# Altium PCB ble_lock_2020-10-10.PcbDoc (part 4 of 5)
Units mm, origin at the board's own origin, x right, y up, seen from the top; angles counter-clockwise.
Board outline 58 x 27 mm, 2 copper layers (Top Layer, Bottom Layer); 590 components, 46 nets, 1844 pads, 2190 vias.
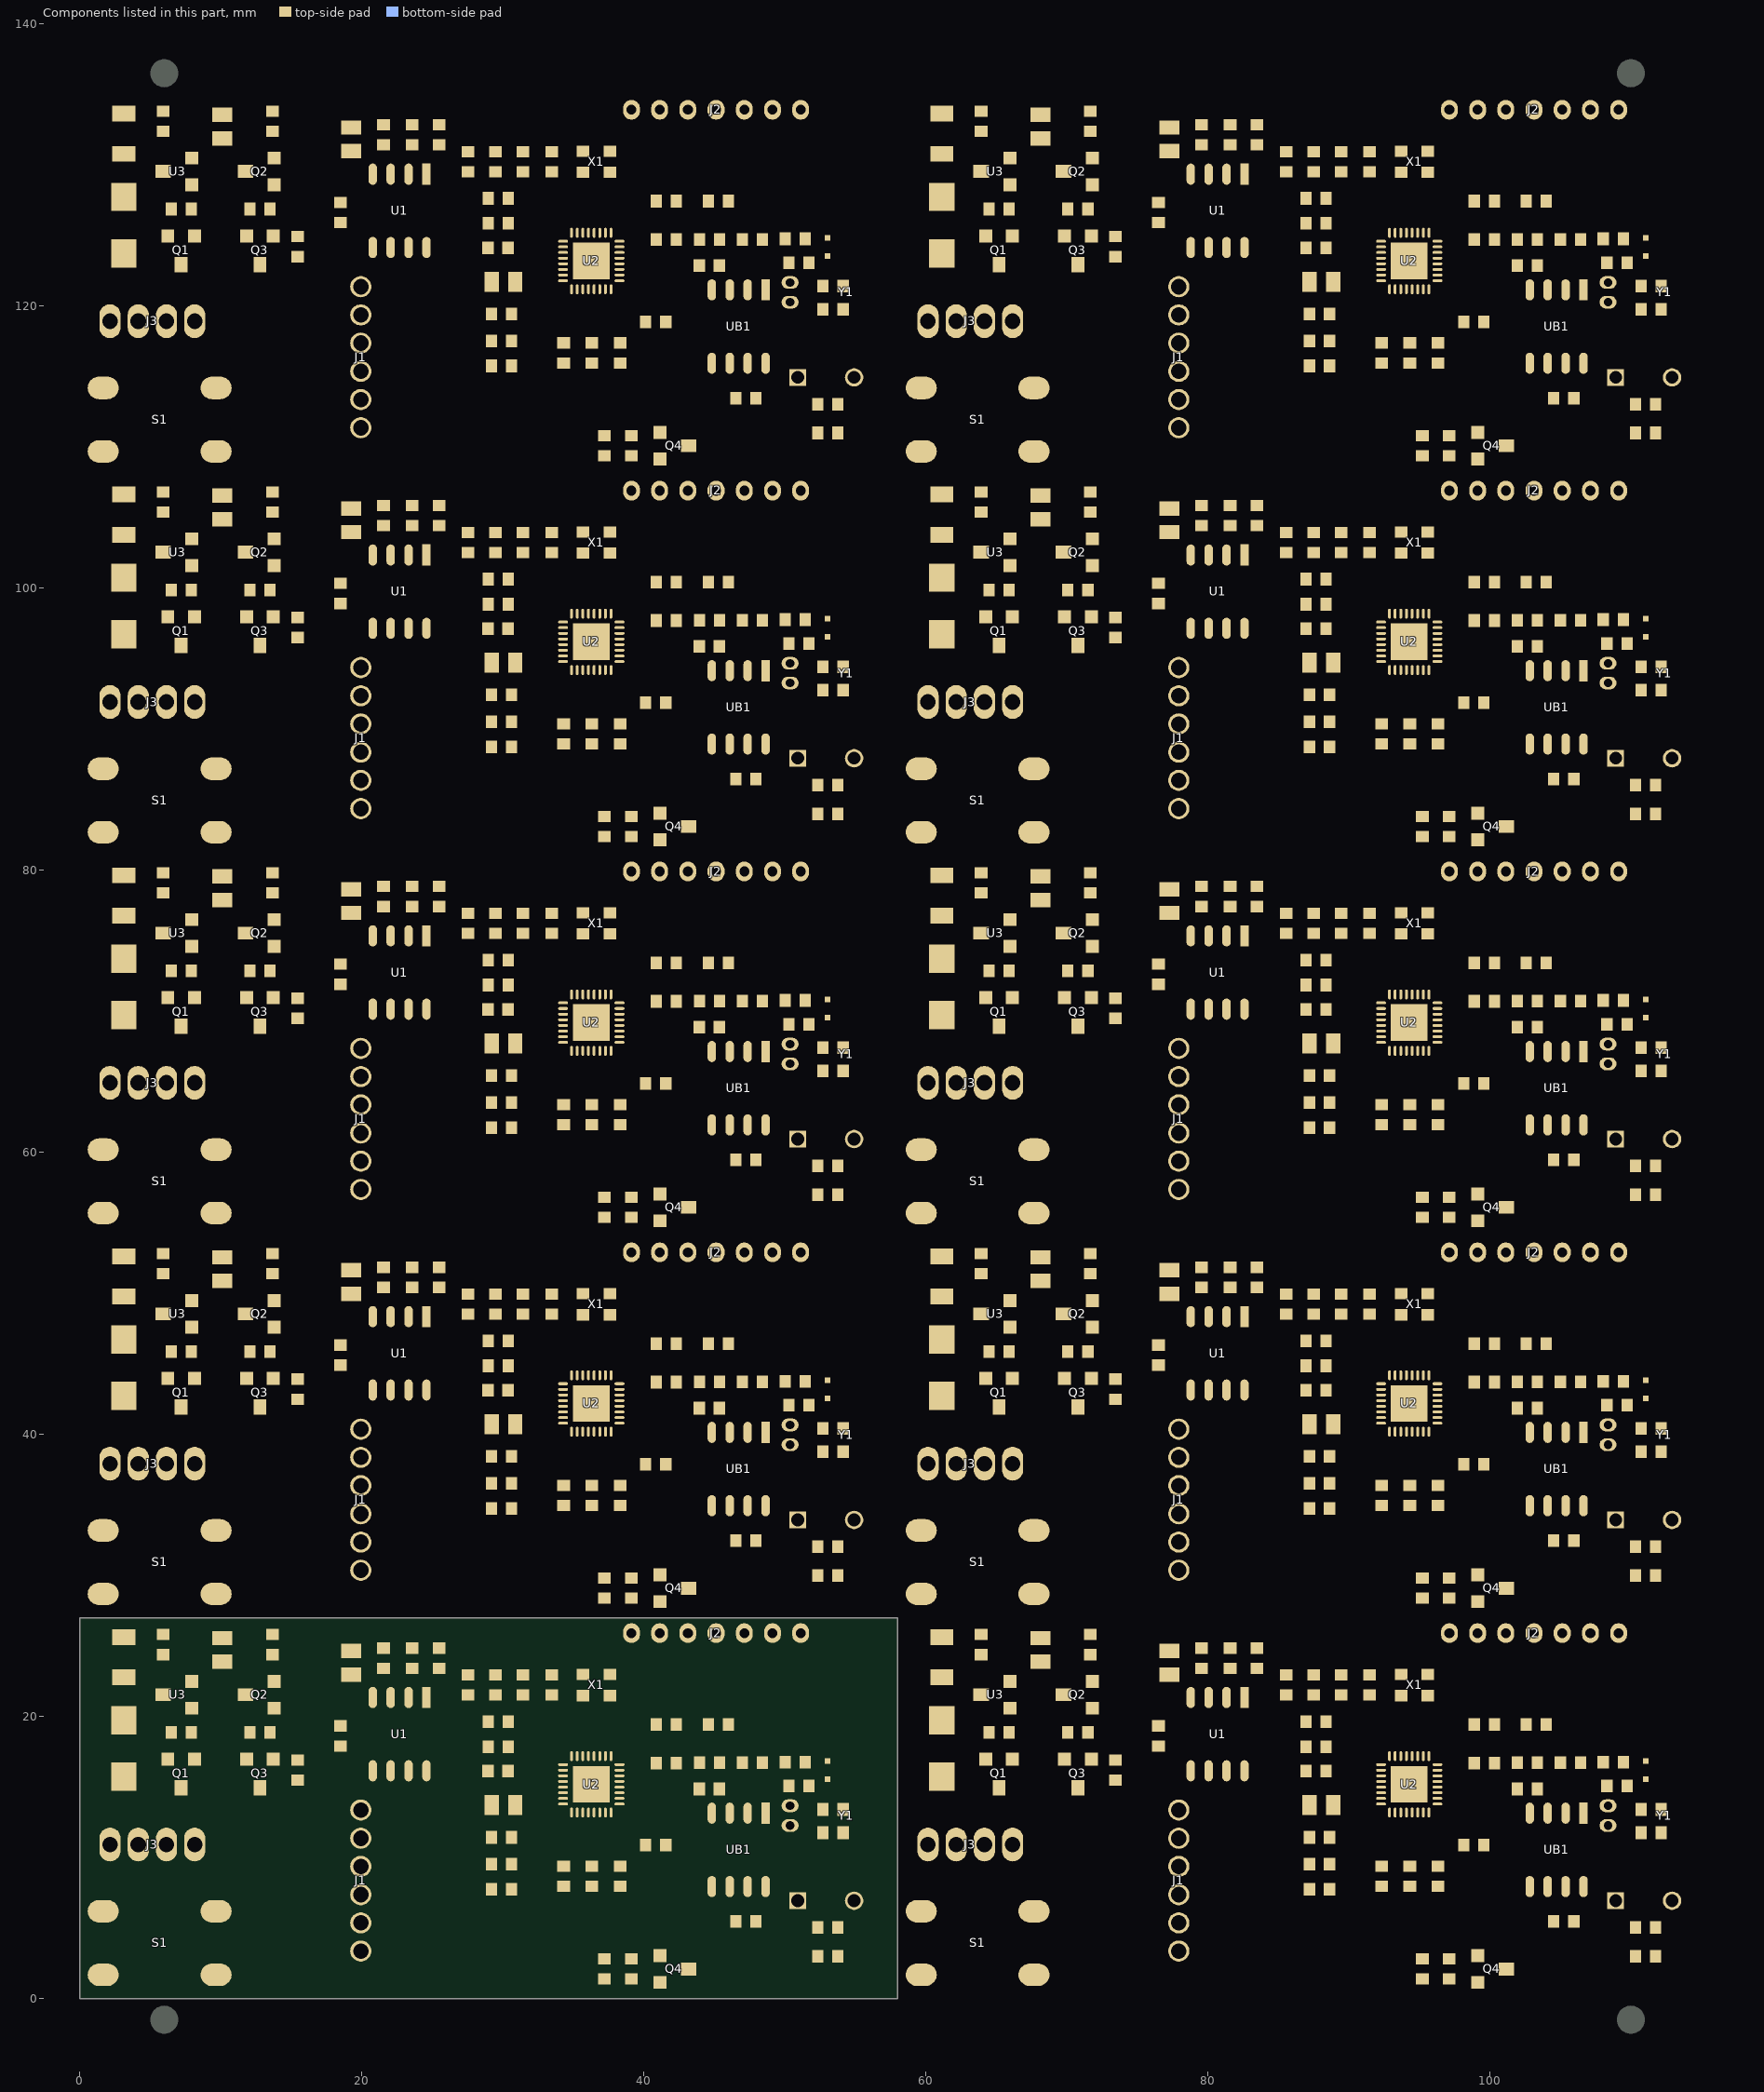
[diagram p4: the components of this part, seen from the top]

## Via types
v1: diameter 0.6, hole 0.4, Top Layer to Bottom Layer, 2190 vias

## Nets (pads, with @x,y where several pads share a name; then routed paths per layer and width w, separated by ;. In a path a pad name is that pad's centre, name@x,y a point inside that pad or via, vN(x,y) a via of type N, cw(c..) or ccw(c..) an arc to the next point about the centre after c; other vN are vias at no path point) (continued)
copper on no net: (continued)
  Top Layer w0.4: 3.136,52.628 v1(4.699,52.628) 5.752,52.628 5.93,52.806 13.677,52.806 ; 3.136,79.628 v1(4.699,79.628) 5.752,79.628 5.93,79.806 13.677,79.806 ; 3.136,106.628 v1(4.699,106.628) 5.752,106.628 5.93,106.806 13.677,106.806 ; 3.136,133.628 v1(4.699,133.628) 5.752,133.628 5.93,133.806 13.677,133.806 ; v1(4.064,35.89) 4.159,35.985 4.159,37.922 ; v1(4.064,62.89) 4.159,62.985 4.159,64.922 ; v1(4.064,89.89) 4.159,89.985 4.159,91.922 ; v1(4.064,116.89) 4.159,116.985 4.159,118.922 ; 7.2,41.935 8.687,41.935 8.89,41.732 9.803,41.732 10.795,40.74 13.098,40.74 13.797,41.438 16.725,41.438 17.145,41.859 21.336,41.859 25.356,37.839 25.356,32.105 27.921,29.54 v1(32.639,29.54) ; 7.2,68.935 8.687,68.935 8.89,68.732 9.803,68.732 10.795,67.74 13.098,67.74 13.797,68.438 16.725,68.438 17.145,68.859 21.336,68.859 25.356,64.839 25.356,59.105 27.921,56.54 v1(32.639,56.54) ; 7.2,95.935 8.687,95.935 8.89,95.732 9.803,95.732 10.795,94.74 13.098,94.74 13.797,95.438 16.725,95.438 17.145,95.859 21.336,95.859 25.356,91.839 25.356,86.105 27.921,83.54 v1(32.639,83.54) ; 7.2,122.935 8.687,122.935 8.89,122.732 9.803,122.732 10.795,121.74 13.098,121.74 13.797,122.439 16.725,122.439 17.145,122.859 21.336,122.859 25.356,118.839 25.356,113.105 27.921,110.54 v1(32.639,110.54) ; 7.962,49.489 9.769,49.489 10.121,49.841 10.121,50.876 12.065,50.876 12.573,51.384 13.677,51.384 13.677,49.616 13.804,49.489 16.754,49.489 18.923,47.32 20.066,47.32 22.225,45.161 24.384,45.161 25.908,43.637 25.908,32.334 27.051,31.191 v1(32.463,31.191) 47.625,31.191 47.955,31.521 47.955,32.461 48.641,33.147 48.641,34.941 48.641,36.271 v1(47.879,37.033) ; 7.962,76.489 9.769,76.489 10.121,76.841 10.121,77.876 12.065,77.876 12.573,78.384 13.677,78.384 13.677,76.616 13.804,76.489 16.754,76.489 18.923,74.32 20.066,74.32 22.225,72.161 24.384,72.161 25.908,70.637 25.908,59.334 27.051,58.191 v1(32.463,58.191) 47.625,58.191 47.955,58.521 47.955,59.461 48.641,60.147 48.641,61.941 48.641,63.271 v1(47.879,64.033) ; 7.962,103.489 9.769,103.489 10.121,103.841 10.121,104.876 12.065,104.876 12.573,105.384 13.677,105.384 13.677,103.616 13.804,103.489 16.754,103.489 18.923,101.32 20.066,101.32 22.225,99.161 24.384,99.161 25.908,97.637 25.908,86.334 27.051,85.191 v1(32.463,85.191) 47.625,85.191 47.955,85.521 47.955,86.461 48.641,87.147 48.641,88.941 48.641,90.271 v1(47.879,91.033) ; 7.962,130.489 9.769,130.489 10.121,130.841 10.121,131.876 12.065,131.876 12.573,132.384 13.677,132.384 13.677,130.616 13.804,130.489 16.754,130.489 18.923,128.32 20.066,128.32 22.225,126.161 24.384,126.161 25.908,124.637 25.908,113.334 27.051,112.191 v1(32.463,112.191) 47.625,112.191 47.955,112.521 47.955,113.461 48.641,114.147 48.641,115.941 48.641,117.271 v1(47.879,118.033) ; v1(10.414,39.827) 10.414,36.906 11.684,35.636 16.383,35.636 19.113,38.366 19.939,38.366 ; v1(10.414,48.59) 10.465,48.539 11.772,48.539 ; v1(10.414,66.827) 10.414,63.906 11.684,62.636 16.383,62.636 19.113,65.366 19.939,65.366 ; v1(10.414,75.59) 10.465,75.539 11.772,75.539 ; v1(10.414,93.827) 10.414,90.906 11.684,89.636 16.383,89.636 19.113,92.366 19.939,92.366 ; v1(10.414,102.59) 10.465,102.539 11.772,102.539 ; v1(10.414,120.827) 10.414,117.906 11.684,116.636 16.383,116.636 19.113,119.366 19.939,119.366 ; v1(10.414,129.59) 10.465,129.539 11.772,129.539 ; v1(16.256,45.034) 18.376,45.034 18.503,44.907 ; v1(16.256,72.034) 18.376,72.034 18.503,71.907 ; v1(16.256,99.034) 18.376,99.034 18.503,98.907 ; v1(16.256,126.034) 18.376,126.034 18.503,125.907 ; v1(16.637,50.495) 16.637,51.765 18.034,53.162 25.654,53.162 27.552,51.264 27.552,49.936 ; v1(16.637,77.495) 16.637,78.765 18.034,80.162 25.654,80.162 27.552,78.264 27.552,76.936 ; v1(16.637,104.495) 16.637,105.765 18.034,107.162 25.654,107.162 27.552,105.264 27.552,103.936 ; v1(16.637,131.495) 16.637,132.765 18.034,134.162 25.654,134.162 27.552,132.264 27.552,130.936 ; v1(18.288,43.129) 18.304,43.145 20.789,43.145 ; v1(18.288,70.129) 18.304,70.145 20.789,70.145 ; v1(18.288,97.129) 18.304,97.145 20.789,97.145 ; v1(18.288,124.129) 18.304,124.145 20.789,124.145 ; 18.503,46.329 20.168,46.329 21.971,44.526 23.876,44.526 24.599,43.803 24.599,43.145 ; 18.503,73.329 20.168,73.329 21.971,71.526 23.876,71.526 24.599,70.803 24.599,70.145 ; 18.503,100.329 20.168,100.329 21.971,98.526 23.876,98.526 24.599,97.803 24.599,97.145 ; 18.503,127.329 20.168,127.329 21.971,125.526 23.876,125.526 24.599,124.803 24.599,124.145 ; 20.789,48.345 20.789,49.313 21.551,50.075 21.551,50.297 ; 20.789,75.345 20.789,76.313 21.551,77.075 21.551,77.297 ; 20.789,102.345 20.789,103.313 21.551,104.075 21.551,104.297 ; 20.789,129.345 20.789,130.313 21.551,131.075 21.551,131.297 ; v1(27.051,46.431) 27.254,46.634 28.968,46.634 ; v1(27.051,73.431) 27.254,73.634 28.968,73.634 ; v1(27.051,100.431) 27.254,100.634 28.968,100.634 ; v1(27.051,127.431) 27.254,127.634 28.968,127.634 ; v1(27.178,44.907) 28.917,44.907 28.968,44.856 ; v1(27.178,71.907) 28.917,71.907 28.968,71.856 ; v1(27.178,98.907) 28.917,98.907 28.968,98.856 ; v1(27.178,125.907) 28.917,125.907 28.968,125.856 ; v1(27.94,36.652) 28.067,36.525 29.212,36.525 ; v1(27.94,63.652) 28.067,63.525 29.212,63.525 ; v1(27.94,90.652) 28.067,90.525 29.212,90.525 ; v1(27.94,117.652) 28.067,117.525 29.212,117.525 ; 29.212,34.747 29.212,36.525 ; 29.212,40.716 29.212,38.43 27.178,38.43 26.797,38.049 26.797,33.731 28.321,32.207 38.227,32.207 39.311,33.291 39.311,36.382 39.311,36.388 v1(39.321,36.398) ; 29.212,61.747 29.212,63.525 ; 29.212,67.716 29.212,65.43 27.178,65.43 26.797,65.049 26.797,60.731 28.321,59.207 38.227,59.207 39.311,60.291 39.311,63.382 39.311,63.388 v1(39.321,63.398) ; 29.212,88.747 29.212,90.525 ; 29.212,94.716 29.212,92.43 27.178,92.43 26.797,92.049 26.797,87.731 28.321,86.207 38.227,86.207 39.311,87.291 39.311,90.382 39.311,90.388 v1(39.321,90.398) ; 29.212,115.747 29.212,117.525 ; 29.212,121.716 29.212,119.43 27.178,119.43 26.797,119.049 26.797,114.731 28.321,113.207 38.227,113.207 39.311,114.291 39.311,117.382 39.311,117.388 v1(39.321,117.398) ; 29.5,49.936 v1(30.473,49.936) 31.447,49.936 33.479,49.936 35.665,49.936 35.704,49.975 35.638,50.041 ; 29.5,76.936 v1(30.473,76.936) 31.447,76.936 33.479,76.936 35.665,76.936 35.704,76.975 35.638,77.041 ; 29.5,103.936 v1(30.473,103.936) 31.447,103.936 33.479,103.936 35.665,103.936 35.704,103.975 35.638,104.041 ; 29.5,130.936 v1(30.473,130.936) 31.447,130.936 33.479,130.936 35.665,130.936 35.704,130.975 35.638,131.041 ; 30.634,36.525 30.634,34.747 32.082,34.747 32.463,34.366 v1(32.385,34.366) ; 30.634,63.525 30.634,61.747 32.082,61.747 32.463,61.366 v1(32.385,61.366) ; 30.634,90.525 30.634,88.747 32.082,88.747 32.463,88.366 v1(32.385,88.366) ; 30.634,117.525 30.634,115.747 32.082,115.747 32.463,115.366 v1(32.385,115.366) ; v1(31.574,38.43) 30.634,38.43 30.634,37.998 29.212,36.576 29.212,36.525 ; v1(31.574,65.43) 30.634,65.43 30.634,64.998 29.212,63.576 29.212,63.525 ; v1(31.574,92.43) 30.634,92.43 30.634,91.998 29.212,90.576 29.212,90.525 ; v1(31.574,119.43) 30.634,119.43 30.634,118.998 29.212,117.576 29.212,117.525 ; 37.211,29.804 39.116,29.804 40.909,29.804 41.148,30.043 ; 37.211,56.804 39.116,56.804 40.909,56.804 41.148,57.043 ; 37.211,83.804 39.116,83.804 40.909,83.804 41.148,84.043 ; 37.211,110.804 39.116,110.804 40.909,110.804 41.148,111.043 ; 40.896,46.431 40.896,45.72 41.455,45.161 42.877,45.161 v1(43.004,45.034) ; 40.896,73.431 40.896,72.72 41.455,72.161 42.877,72.161 v1(43.004,72.034) ; 40.896,100.431 40.896,99.72 41.455,99.161 42.877,99.161 v1(43.004,99.034) ; 40.896,127.431 40.896,126.72 41.455,126.161 42.877,126.161 v1(43.004,126.034) ; 43.18,29.093 47.305,29.093 49.53,31.318 49.53,35.128 50.165,35.763 52.705,35.763 54.534,33.934 54.92,33.934 54.92,33.191 53.758,32.029 ; 43.18,56.093 47.305,56.093 49.53,58.318 49.53,62.128 50.165,62.763 52.705,62.763 54.534,60.934 54.92,60.934 54.92,60.191 53.758,59.029 ; 43.18,83.093 47.305,83.093 49.53,85.318 49.53,89.128 50.165,89.763 52.705,89.763 54.534,87.934 54.92,87.934 54.92,87.191 53.758,86.029 ; 43.18,110.093 47.305,110.093 49.53,112.318 49.53,116.128 50.165,116.763 52.705,116.763 54.534,114.934 54.92,114.934 54.92,114.191 53.758,113.029 ; v1(46.406,33.411) 46.533,33.284 46.533,32.461 ; v1(46.406,60.411) 46.533,60.284 46.533,59.461 ; v1(46.406,87.411) 46.533,87.284 46.533,86.461 ; v1(46.406,114.411) 46.533,114.284 46.533,113.461 ; 47.371,40.141 47.371,38.684 47.752,38.303 49.415,38.303 50.38,39.268 50.978,39.268 51.486,38.76 52.717,38.76 ; 47.371,67.141 47.371,65.684 47.752,65.303 49.415,65.303 50.38,66.268 50.978,66.268 51.486,65.76 52.717,65.76 ; 47.371,94.141 47.371,92.684 47.752,92.303 49.415,92.303 50.38,93.268 50.978,93.268 51.486,92.76 52.717,92.76 ; 47.371,121.141 47.371,119.684 47.752,119.303 49.415,119.303 50.38,120.268 50.978,120.268 51.486,119.76 52.717,119.76 ; 48.641,40.141 48.641,40.462 48.847,40.668 50.38,40.668 52.46,40.668 52.717,40.411 ; 48.641,67.141 48.641,67.462 48.847,67.668 50.38,67.668 52.46,67.668 52.717,67.411 ; 48.641,94.141 48.641,94.462 48.847,94.668 50.38,94.668 52.46,94.668 52.717,94.411 ; 48.641,121.141 48.641,121.462 48.847,121.668 50.38,121.668 52.46,121.668 52.717,121.411 ; 50.92,33.934 50.92,33.445 52.336,32.029 52.336,29.997 ; 50.92,60.934 50.92,60.445 52.336,59.029 52.336,56.997 ; 50.92,87.934 50.92,87.445 52.336,86.029 52.336,83.997 ; 50.92,114.934 50.92,114.445 52.336,113.029 52.336,110.997 ; 53.758,29.997 54.94,29.997 v1(55.118,30.175) ; 53.758,56.997 54.94,56.997 v1(55.118,57.175) ; 53.758,83.997 54.94,83.997 v1(55.118,84.175) ; 53.758,110.997 54.94,110.997 v1(55.118,111.175) ; 61.136,25.628 v1(62.699,25.628) 63.752,25.628 63.93,25.806 71.677,25.806 ; 61.136,52.628 v1(62.699,52.628) 63.752,52.628 63.93,52.806 71.677,52.806 ; 61.136,79.628 v1(62.699,79.628) 63.752,79.628 63.93,79.806 71.677,79.806 ; 61.136,106.628 v1(62.699,106.628) 63.752,106.628 63.93,106.806 71.677,106.806 ; 61.136,133.628 v1(62.699,133.628) 63.752,133.628 63.93,133.806 71.677,133.806 ; v1(62.064,8.89) 62.159,8.985 62.159,10.922 ; v1(62.064,35.89) 62.159,35.985 62.159,37.922 ; v1(62.064,62.89) 62.159,62.985 62.159,64.922 ; v1(62.064,89.89) 62.159,89.985 62.159,91.922 ; v1(62.064,116.89) 62.159,116.985 62.159,118.922 ; 65.2,14.935 66.687,14.935 66.89,14.732 67.803,14.732 68.795,13.74 71.098,13.74 71.797,14.439 74.725,14.439 75.145,14.859 79.336,14.859 83.356,10.839 83.356,5.105 85.921,2.54 v1(90.639,2.54) ; 65.2,41.935 66.687,41.935 66.89,41.732 67.803,41.732 68.795,40.74 71.098,40.74 71.797,41.438 74.725,41.438 75.145,41.859 79.336,41.859 83.356,37.839 83.356,32.105 85.921,29.54 v1(90.639,29.54) ; 65.2,68.935 66.687,68.935 66.89,68.732 67.803,68.732 68.795,67.74 71.098,67.74 71.797,68.438 74.725,68.438 75.145,68.859 79.336,68.859 83.356,64.839 83.356,59.105 85.921,56.54 v1(90.639,56.54) ; 65.2,95.935 66.687,95.935 66.89,95.732 67.803,95.732 68.795,94.74 71.098,94.74 71.797,95.438 74.725,95.438 75.145,95.859 79.336,95.859 83.356,91.839 83.356,86.105 85.921,83.54 v1(90.639,83.54) ; 65.2,122.935 66.687,122.935 66.89,122.732 67.803,122.732 68.795,121.74 71.098,121.74 71.797,122.439 74.725,122.439 75.145,122.859 79.336,122.859 83.356,118.839 83.356,113.105 85.921,110.54 v1(90.639,110.54) ; 65.962,22.489 67.769,22.489 68.121,22.841 68.121,23.876 70.065,23.876 70.573,24.384 71.677,24.384 71.677,22.616 71.804,22.489 74.754,22.489 76.923,20.32 78.066,20.32 80.225,18.161 82.384,18.161 83.908,16.637 83.908,5.334 85.051,4.191 v1(90.463,4.191) 105.625,4.191 105.955,4.521 105.955,5.461 106.641,6.147 106.641,7.941 106.641,9.271 v1(105.879,10.033) ; 65.962,49.489 67.769,49.489 68.121,49.841 68.121,50.876 70.065,50.876 70.573,51.384 71.677,51.384 71.677,49.616 71.804,49.489 74.754,49.489 76.923,47.32 78.066,47.32 80.225,45.161 82.384,45.161 83.908,43.637 83.908,32.334 85.051,31.191 v1(90.463,31.191) 105.625,31.191 105.955,31.521 105.955,32.461 106.641,33.147 106.641,34.941 106.641,36.271 v1(105.879,37.033) ; 65.962,76.489 67.769,76.489 68.121,76.841 68.121,77.876 70.065,77.876 70.573,78.384 71.677,78.384 71.677,76.616 71.804,76.489 74.754,76.489 76.923,74.32 78.066,74.32 80.225,72.161 82.384,72.161 83.908,70.637 83.908,59.334 85.051,58.191 v1(90.463,58.191) 105.625,58.191 105.955,58.521 105.955,59.461 106.641,60.147 106.641,61.941 106.641,63.271 v1(105.879,64.033) ; 65.962,103.489 67.769,103.489 68.121,103.841 68.121,104.876 70.065,104.876 70.573,105.384 71.677,105.384 71.677,103.616 71.804,103.489 74.754,103.489 76.923,101.32 78.066,101.32 80.225,99.161 82.384,99.161 83.908,97.637 83.908,86.334 85.051,85.191 v1(90.463,85.191) 105.625,85.191 105.955,85.521 105.955,86.461 106.641,87.147 106.641,88.941 106.641,90.271 v1(105.879,91.033) ; 65.962,130.489 67.769,130.489 68.121,130.841 68.121,131.876 70.065,131.876 70.573,132.384 71.677,132.384 71.677,130.616 71.804,130.489 74.754,130.489 76.923,128.32 78.066,128.32 80.225,126.161 82.384,126.161 83.908,124.637 83.908,113.334 85.051,112.191 v1(90.463,112.191) 105.625,112.191 105.955,112.521 105.955,113.461 106.641,114.147 106.641,115.941 106.641,117.271 v1(105.879,118.033) ; v1(68.414,12.827) 68.414,9.906 69.684,8.636 74.383,8.636 77.113,11.366 77.939,11.366 ; v1(68.414,21.59) 68.465,21.539 69.772,21.539 ; v1(68.414,39.827) 68.414,36.906 69.684,35.636 74.383,35.636 77.113,38.366 77.939,38.366 ; v1(68.414,48.59) 68.465,48.539 69.772,48.539 ; v1(68.414,66.827) 68.414,63.906 69.684,62.636 74.383,62.636 77.113,65.366 77.939,65.366 ; v1(68.414,75.59) 68.465,75.539 69.772,75.539 ; v1(68.414,93.827) 68.414,90.906 69.684,89.636 74.383,89.636 77.113,92.366 77.939,92.366 ; v1(68.414,102.59) 68.465,102.539 69.772,102.539 ; v1(68.414,120.827) 68.414,117.906 69.684,116.636 74.383,116.636 77.113,119.366 77.939,119.366 ; v1(68.414,129.59) 68.465,129.539 69.772,129.539 ; v1(74.256,18.034) 76.376,18.034 76.503,17.907 ; v1(74.256,45.034) 76.376,45.034 76.503,44.907 ; v1(74.256,72.034) 76.376,72.034 76.503,71.907 ; v1(74.256,99.034) 76.376,99.034 76.503,98.907 ; v1(74.256,126.034) 76.376,126.034 76.503,125.907 ; v1(74.637,23.495) 74.637,24.765 76.034,26.162 83.654,26.162 85.552,24.264 85.552,22.936 ; v1(74.637,50.495) 74.637,51.765 76.034,53.162 83.654,53.162 85.552,51.264 85.552,49.936 ; v1(74.637,77.495) 74.637,78.765 76.034,80.162 83.654,80.162 85.552,78.264 85.552,76.936 ; v1(74.637,104.495) 74.637,105.765 76.034,107.162 83.654,107.162 85.552,105.264 85.552,103.936 ; v1(74.637,131.495) 74.637,132.765 76.034,134.162 83.654,134.162 85.552,132.264 85.552,130.936 ; v1(76.288,16.129) 76.304,16.145 78.789,16.145 ; v1(76.288,43.129) 76.304,43.145 78.789,43.145 ; v1(76.288,70.129) 76.304,70.145 78.789,70.145 ; v1(76.288,97.129) 76.304,97.145 78.789,97.145 ; v1(76.288,124.129) 76.304,124.145 78.789,124.145 ; 76.503,19.329 78.168,19.329 79.971,17.526 81.876,17.526 82.599,16.803 82.599,16.145 ; 76.503,46.329 78.168,46.329 79.971,44.526 81.876,44.526 82.599,43.803 82.599,43.145 ; 76.503,73.329 78.168,73.329 79.971,71.526 81.876,71.526 82.599,70.803 82.599,70.145 ; 76.503,100.329 78.168,100.329 79.971,98.526 81.876,98.526 82.599,97.803 82.599,97.145 ; 76.503,127.329 78.168,127.329 79.971,125.526 81.876,125.526 82.599,124.803 82.599,124.145 ; 78.789,21.345 78.789,22.313 79.551,23.075 79.551,23.297 ; 78.789,48.345 78.789,49.313 79.551,50.075 79.551,50.297 ; 78.789,75.345 78.789,76.313 79.551,77.075 79.551,77.297 ; 78.789,102.345 78.789,103.313 79.551,104.075 79.551,104.297 ; 78.789,129.345 78.789,130.313 79.551,131.075 79.551,131.297 ; v1(85.051,19.431) 85.254,19.634 86.968,19.634 ; v1(85.051,46.431) 85.254,46.634 86.968,46.634 ; v1(85.051,73.431) 85.254,73.634 86.968,73.634 ; v1(85.051,100.431) 85.254,100.634 86.968,100.634 ; v1(85.051,127.431) 85.254,127.634 86.968,127.634 ; v1(85.178,17.907) 86.917,17.907 86.968,17.856 ; v1(85.178,44.907) 86.917,44.907 86.968,44.856 ; v1(85.178,71.907) 86.917,71.907 86.968,71.856 ; v1(85.178,98.907) 86.917,98.907 86.968,98.856 ; v1(85.178,125.907) 86.917,125.907 86.968,125.856 ; v1(85.94,9.652) 86.067,9.525 87.212,9.525 ; v1(85.94,36.652) 86.067,36.525 87.212,36.525 ; v1(85.94,63.652) 86.067,63.525 87.212,63.525 ; v1(85.94,90.652) 86.067,90.525 87.212,90.525 ; v1(85.94,117.652) 86.067,117.525 87.212,117.525 ; 87.212,7.747 87.212,9.525 ; 87.212,13.716 87.212,11.43 85.178,11.43 84.797,11.049 84.797,6.731 86.321,5.207 96.227,5.207 97.311,6.291 97.311,9.382 97.311,9.388 v1(97.321,9.398) ; 87.212,34.747 87.212,36.525 ; 87.212,40.716 87.212,38.43 85.178,38.43 84.797,38.049 84.797,33.731 86.321,32.207 96.227,32.207 97.311,33.291 97.311,36.382 97.311,36.388 v1(97.321,36.398) ; 87.212,61.747 87.212,63.525 ; 87.212,67.716 87.212,65.43 85.178,65.43 84.797,65.049 84.797,60.731 86.321,59.207 96.227,59.207 97.311,60.291 97.311,63.382 97.311,63.388 v1(97.321,63.398) ; 87.212,88.747 87.212,90.525 ; 87.212,94.716 87.212,92.43 85.178,92.43 84.797,92.049 84.797,87.731 86.321,86.207 96.227,86.207 97.311,87.291 97.311,90.382 97.311,90.388 v1(97.321,90.398) ; 87.212,115.747 87.212,117.525 ; 87.212,121.716 87.212,119.43 85.178,119.43 84.797,119.049 84.797,114.731 86.321,113.207 96.227,113.207 97.311,114.291 97.311,117.382 97.311,117.388 v1(97.321,117.398) ; 87.5,22.936 v1(88.473,22.936) 89.447,22.936 91.479,22.936 93.665,22.936 93.704,22.975 93.638,23.041 ; 87.5,49.936 v1(88.473,49.936) 89.447,49.936 91.479,49.936 93.665,49.936 93.704,49.975 93.638,50.041 ; 87.5,76.936 v1(88.473,76.936) 89.447,76.936 91.479,76.936 93.665,76.936 93.704,76.975 93.638,77.041 ; 87.5,103.936 v1(88.473,103.936) 89.447,103.936 91.479,103.936 93.665,103.936 93.704,103.975 93.638,104.041 ; 87.5,130.936 v1(88.473,130.936) 89.447,130.936 91.479,130.936 93.665,130.936 93.704,130.975 93.638,131.041 ; 88.634,9.525 88.634,7.747 90.082,7.747 90.463,7.366 v1(90.385,7.366) ; 88.634,36.525 88.634,34.747 90.082,34.747 90.463,34.366 v1(90.385,34.366) ; 88.634,63.525 88.634,61.747 90.082,61.747 90.463,61.366 v1(90.385,61.366) ; 88.634,90.525 88.634,88.747 90.082,88.747 90.463,88.366 v1(90.385,88.366) ; 88.634,117.525 88.634,115.747 90.082,115.747 90.463,115.366 v1(90.385,115.366) ; v1(89.574,11.43) 88.634,11.43 88.634,10.998 87.212,9.576 87.212,9.525 ; v1(89.574,38.43) 88.634,38.43 88.634,37.998 87.212,36.576 87.212,36.525 ; v1(89.574,65.43) 88.634,65.43 88.634,64.998 87.212,63.576 87.212,63.525 ; v1(89.574,92.43) 88.634,92.43 88.634,91.998 87.212,90.576 87.212,90.525 ; v1(89.574,119.43) 88.634,119.43 88.634,118.998 87.212,117.576 87.212,117.525 ; 95.211,2.804 97.116,2.804 98.909,2.804 99.148,3.043 ; 95.211,29.804 97.116,29.804 98.909,29.804 99.148,30.043 ; 95.211,56.804 97.116,56.804 98.909,56.804 99.148,57.043 ; 95.211,83.804 97.116,83.804 98.909,83.804 99.148,84.043 ; 95.211,110.804 97.116,110.804 98.909,110.804 99.148,111.043 ; 98.896,19.431 98.896,18.72 99.455,18.161 100.877,18.161 v1(101.004,18.034) ; 98.896,46.431 98.896,45.72 99.455,45.161 100.877,45.161 v1(101.004,45.034) ; 98.896,73.431 98.896,72.72 99.455,72.161 100.877,72.161 v1(101.004,72.034) ; 98.896,100.431 98.896,99.72 99.455,99.161 100.877,99.161 v1(101.004,99.034) ; 98.896,127.431 98.896,126.72 99.455,126.161 100.877,126.161 v1(101.004,126.034) ; 101.18,2.093 105.305,2.093 107.53,4.318 107.53,8.128 108.165,8.763 110.705,8.763 112.534,6.934 112.92,6.934 112.92,6.191 111.758,5.029 ; 101.18,29.093 105.305,29.093 107.53,31.318 107.53,35.128 108.165,35.763 110.705,35.763 112.534,33.934 112.92,33.934 112.92,33.191 111.758,32.029 ; 101.18,56.093 105.305,56.093 107.53,58.318 107.53,62.128 108.165,62.763 110.705,62.763 112.534,60.934 112.92,60.934 112.92,60.191 111.758,59.029 ; 101.18,83.093 105.305,83.093 107.53,85.318 107.53,89.128 108.165,89.763 110.705,89.763 112.534,87.934 112.92,87.934 112.92,87.191 111.758,86.029 ; 101.18,110.093 105.305,110.093 107.53,112.318 107.53,116.128 108.165,116.763 110.705,116.763 112.534,114.934 112.92,114.934 112.92,114.191 111.758,113.029 ; v1(104.406,6.411) 104.533,6.284 104.533,5.461 ; v1(104.406,33.411) 104.533,33.284 104.533,32.461 ; v1(104.406,60.411) 104.533,60.284 104.533,59.461 ; v1(104.406,87.411) 104.533,87.284 104.533,86.461 ; v1(104.406,114.411) 104.533,114.284 104.533,113.461 ; 105.371,13.141 105.371,11.684 105.752,11.303 107.415,11.303 108.38,12.268 108.978,12.268 109.486,11.76 110.717,11.76 ; 105.371,40.141 105.371,38.684 105.752,38.303 107.415,38.303 108.38,39.268 108.978,39.268 109.486,38.76 110.717,38.76 ; 105.371,67.141 105.371,65.684 105.752,65.303 107.415,65.303 108.38,66.268 108.978,66.268 109.486,65.76 110.717,65.76 ; 105.371,94.141 105.371,92.684 105.752,92.303 107.415,92.303 108.38,93.268 108.978,93.268 109.486,92.76 110.717,92.76 ; 105.371,121.141 105.371,119.684 105.752,119.303 107.415,119.303 108.38,120.268 108.978,120.268 109.486,119.76 110.717,119.76 ; 106.641,13.141 106.641,13.462 106.847,13.668 108.38,13.668 110.46,13.668 110.717,13.411 ; 106.641,40.141 106.641,40.462 106.847,40.668 108.38,40.668 110.46,40.668 110.717,40.411 ; 106.641,67.141 106.641,67.462 106.847,67.668 108.38,67.668 110.46,67.668 110.717,67.411 ; 106.641,94.141 106.641,94.462 106.847,94.668 108.38,94.668 110.46,94.668 110.717,94.411 ; 106.641,121.141 106.641,121.462 106.847,121.668 108.38,121.668 110.46,121.668 110.717,121.411 ; 108.92,6.934 108.92,6.445 110.336,5.029 110.336,2.997 ; 108.92,33.934 108.92,33.445 110.336,32.029 110.336,29.997 ; 108.92,60.934 108.92,60.445 110.336,59.029 110.336,56.997 ; 108.92,87.934 108.92,87.445 110.336,86.029 110.336,83.997 ; 108.92,114.934 108.92,114.445 110.336,113.029 110.336,110.997 ; 111.758,2.997 112.94,2.997 v1(113.118,3.175) ; 111.758,29.997 112.94,29.997 v1(113.118,30.175) ; 111.758,56.997 112.94,56.997 v1(113.118,57.175) ; 111.758,83.997 112.94,83.997 v1(113.118,84.175) ; 111.758,110.997 112.94,110.997 v1(113.118,111.175)
  Top Layer w0.8: 5.93,51.384 5.93,48.539 5.93,47.359 6.489,46.8 6.489,45.872 6.489,45.046 6.25,44.807 6.25,43.967 ; 5.93,78.384 5.93,75.539 5.93,74.359 6.489,73.8 6.489,72.872 6.489,72.046 6.25,71.807 6.25,70.967 ; 5.93,105.384 5.93,102.539 5.93,101.359 6.489,100.8 6.489,99.872 6.489,99.046 6.25,98.807 6.25,97.967 ; 5.93,132.384 5.93,129.539 5.93,128.359 6.489,127.8 6.489,126.872 6.489,126.046 6.25,125.807 6.25,124.967 ; v1(16.637,50.495) 16.811,50.495 17.446,49.86 19.154,49.86 19.265,49.971 21.225,49.971 21.551,50.297 21.551,50.419 ; v1(16.637,77.495) 16.811,77.495 17.446,76.86 19.154,76.86 19.265,76.971 21.225,76.971 21.551,77.297 21.551,77.419 ; v1(16.637,104.495) 16.811,104.495 17.446,103.86 19.154,103.86 19.265,103.971 21.225,103.971 21.551,104.297 21.551,104.419 ; v1(16.637,131.495) 16.811,131.495 17.446,130.86 19.154,130.86 19.265,130.971 21.225,130.971 21.551,131.297 21.551,131.419 ; 63.93,24.384 63.93,21.539 63.93,20.359 64.489,19.8 64.489,18.872 64.489,18.046 64.25,17.807 64.25,16.967 ; 63.93,51.384 63.93,48.539 63.93,47.359 64.489,46.8 64.489,45.872 64.489,45.046 64.25,44.807 64.25,43.967 ; 63.93,78.384 63.93,75.539 63.93,74.359 64.489,73.8 64.489,72.872 64.489,72.046 64.25,71.807 64.25,70.967 ; 63.93,105.384 63.93,102.539 63.93,101.359 64.489,100.8 64.489,99.872 64.489,99.046 64.25,98.807 64.25,97.967 ; 63.93,132.384 63.93,129.539 63.93,128.359 64.489,127.8 64.489,126.872 64.489,126.046 64.25,125.807 64.25,124.967 ; v1(74.637,23.495) 74.811,23.495 75.446,22.86 77.154,22.86 77.265,22.971 79.225,22.971 79.551,23.297 79.551,23.419 ; v1(74.637,50.495) 74.811,50.495 75.446,49.86 77.154,49.86 77.265,49.971 79.225,49.971 79.551,50.297 79.551,50.419 ; v1(74.637,77.495) 74.811,77.495 75.446,76.86 77.154,76.86 77.265,76.971 79.225,76.971 79.551,77.297 79.551,77.419 ; v1(74.637,104.495) 74.811,104.495 75.446,103.86 77.154,103.86 77.265,103.971 79.225,103.971 79.551,104.297 79.551,104.419 ; v1(74.637,131.495) 74.811,131.495 75.446,130.86 77.154,130.86 77.265,130.971 79.225,130.971 79.551,131.297 79.551,131.419
  Top Layer w1: 2.159,37.922 2.159,39.446 3.136,40.423 3.136,42.729 ; 2.159,64.922 2.159,66.446 3.136,67.423 3.136,69.729 ; 2.159,91.922 2.159,93.446 3.136,94.423 3.136,96.729 ; 2.159,118.922 2.159,120.446 3.136,121.423 3.136,123.729 ; 3.136,46.729 3.136,49.784 3.187,49.733 v1(4.699,49.733) 5.842,49.733 ; 3.136,73.729 3.136,76.784 3.187,76.733 v1(4.699,76.733) 5.842,76.733 ; 3.136,100.729 3.136,103.784 3.187,103.733 v1(4.699,103.733) 5.842,103.733 ; 3.136,127.729 3.136,130.784 3.187,130.733 v1(4.699,130.733) 5.842,130.733 ; 60.159,10.922 60.159,12.446 61.136,13.423 61.136,15.729 ; 60.159,37.922 60.159,39.446 61.136,40.423 61.136,42.729 ; 60.159,64.922 60.159,66.446 61.136,67.423 61.136,69.729 ; 60.159,91.922 60.159,93.446 61.136,94.423 61.136,96.729 ; 60.159,118.922 60.159,120.446 61.136,121.423 61.136,123.729 ; 61.136,19.729 61.136,22.784 61.187,22.733 v1(62.699,22.733) 63.842,22.733 ; 61.136,46.729 61.136,49.784 61.187,49.733 v1(62.699,49.733) 63.842,49.733 ; 61.136,73.729 61.136,76.784 61.187,76.733 v1(62.699,76.733) 63.842,76.733 ; 61.136,100.729 61.136,103.784 61.187,103.733 v1(62.699,103.733) 63.842,103.733 ; 61.136,127.729 61.136,130.784 61.187,130.733 v1(62.699,130.733) 63.842,130.733
  Bottom Layer w0.2: v1(11.303,33.223) 11.684,33.223 15.875,29.032 24.003,29.032 27.94,32.969 v1(29.464,32.969) ; v1(11.303,60.223) 11.684,60.223 15.875,56.032 24.003,56.032 27.94,59.969 v1(29.464,59.969) ; v1(11.303,87.223) 11.684,87.223 15.875,83.032 24.003,83.032 27.94,86.969 v1(29.464,86.969) ; v1(11.303,114.223) 11.684,114.223 15.875,110.032 24.003,110.032 27.94,113.969 v1(29.464,113.969) ; v1(16.637,43.891) 17.018,44.272 23.114,44.272 26.162,47.32 27.559,47.32 27.94,46.939 v1(27.94,43.129) ; v1(16.637,70.891) 17.018,71.272 23.114,71.272 26.162,74.32 27.559,74.32 27.94,73.939 v1(27.94,70.129) ; v1(16.637,97.891) 17.018,98.272 23.114,98.272 26.162,101.32 27.559,101.32 27.94,100.939 v1(27.94,97.129) ; v1(16.637,124.891) 17.018,125.272 23.114,125.272 26.162,128.32 27.559,128.32 27.94,127.939 v1(27.94,124.129) ; v1(22.01,46.724) 22.01,51.296 23.876,53.162 v1(27.432,53.162) ; v1(22.01,73.724) 22.01,78.296 23.876,80.162 v1(27.432,80.162) ; v1(22.01,100.724) 22.01,105.296 23.876,107.162 v1(27.432,107.162) ; v1(22.01,127.724) 22.01,132.296 23.876,134.162 v1(27.432,134.162) ; v1(23.28,46.089) 23.28,50.153 25.273,52.146 29.972,52.146 v1(30.226,52.4) ; v1(23.28,73.089) 23.28,77.153 25.273,79.146 29.972,79.146 v1(30.226,79.4) ; v1(23.28,100.089) 23.28,104.153 25.273,106.146 29.972,106.146 v1(30.226,106.4) ; v1(23.28,127.089) 23.28,131.153 25.273,133.146 29.972,133.146 v1(30.226,133.4) ; v1(31.75,45.034) 31.877,45.161 31.877,51.003 v1(32.385,51.511) ; v1(31.75,72.034) 31.877,72.161 31.877,78.003 v1(32.385,78.511) ; v1(31.75,99.034) 31.877,99.161 31.877,105.003 v1(32.385,105.511) ; v1(31.75,126.034) 31.877,126.161 31.877,132.003 v1(32.385,132.511) ; v1(32.766,46.431) 32.766,48.971 v1(35.179,51.384) ; v1(32.766,73.431) 32.766,75.971 v1(35.179,78.384) ; v1(32.766,100.431) 32.766,102.971 v1(35.179,105.384) ; v1(32.766,127.431) 32.766,129.971 v1(35.179,132.384) ; v1(33.782,46.939) 33.782,48.971 35.433,50.622 39.735,50.622 41.132,52.019 41.132,52.908 ; v1(33.782,73.939) 33.782,75.971 35.433,77.622 39.735,77.622 41.132,79.019 41.132,79.908 ; v1(33.782,100.939) 33.782,102.971 35.433,104.622 39.735,104.622 41.132,106.019 41.132,106.908 ; v1(33.782,127.939) 33.782,129.971 35.433,131.622 39.735,131.622 41.132,133.019 41.132,133.908 ; v1(35.56,30.175) 35.56,31.572 37.465,33.477 37.465,35.89 40.259,38.684 40.259,45.415 39.624,46.05 35.814,46.05 v1(35.56,45.796) ; v1(35.56,57.175) 35.56,58.572 37.465,60.477 37.465,62.89 40.259,65.684 40.259,72.415 39.624,73.05 35.814,73.05 v1(35.56,72.796) ; v1(35.56,84.175) 35.56,85.572 37.465,87.477 37.465,89.89 40.259,92.684 40.259,99.415 39.624,100.05 35.814,100.05 v1(35.56,99.796) ; v1(35.56,111.175) 35.56,112.572 37.465,114.477 37.465,116.89 40.259,119.684 40.259,126.415 39.624,127.05 35.814,127.05 v1(35.56,126.796) ; v1(41.021,41.605) 41.021,49.225 43.132,51.336 43.132,52.908 ; v1(41.021,68.605) 41.021,76.225 43.132,78.336 43.132,79.908 ; v1(41.021,95.605) 41.021,103.225 43.132,105.336 43.132,106.908 ; v1(41.021,122.605) 41.021,130.225 43.132,132.336 43.132,133.908 ; v1(42.037,42.24) 41.529,42.748 41.529,48.209 45.132,51.812 45.132,52.908 ; v1(42.037,69.24) 41.529,69.748 41.529,75.209 45.132,78.812 45.132,79.908 ; v1(42.037,96.24) 41.529,96.748 41.529,102.209 45.132,105.812 45.132,106.908 ; v1(42.037,123.24) 41.529,123.748 41.529,129.209 45.132,132.812 45.132,133.908 ; v1(42.164,40.081) 42.164,40.208 43.976,42.02 43.976,48.37 47.132,51.526 47.132,52.908 ; v1(42.164,67.081) 42.164,67.208 43.976,69.02 43.976,75.37 47.132,78.526 47.132,79.908 ; v1(42.164,94.081) 42.164,94.208 43.976,96.02 43.976,102.37 47.132,105.526 47.132,106.908 ; v1(42.164,121.081) 42.164,121.208 43.976,123.02 43.976,129.37 47.132,132.526 47.132,133.908 ; v1(43.307,36.652) v1(43.307,39.446) ; v1(43.307,63.652) v1(43.307,66.446) ; v1(43.307,90.652) v1(43.307,93.446) ; v1(43.307,117.652) v1(43.307,120.446) ; v1(43.561,40.335) 43.561,41.097 45.593,43.129 45.593,48.844 49.132,52.383 49.132,52.908 ; v1(43.561,67.335) 43.561,68.097 45.593,70.129 45.593,75.844 49.132,79.383 49.132,79.908 ; v1(43.561,94.335) 43.561,95.097 45.593,97.129 45.593,102.844 49.132,106.383 49.132,106.908 ; v1(43.561,121.335) 43.561,122.097 45.593,124.129 45.593,129.844 49.132,133.383 49.132,133.908 ; v1(69.303,6.223) 69.684,6.223 73.875,2.032 82.003,2.032 85.94,5.969 v1(87.464,5.969) ; v1(69.303,33.223) 69.684,33.223 73.875,29.032 82.003,29.032 85.94,32.969 v1(87.464,32.969) ; v1(69.303,60.223) 69.684,60.223 73.875,56.032 82.003,56.032 85.94,59.969 v1(87.464,59.969) ; v1(69.303,87.223) 69.684,87.223 73.875,83.032 82.003,83.032 85.94,86.969 v1(87.464,86.969) ; v1(69.303,114.223) 69.684,114.223 73.875,110.032 82.003,110.032 85.94,113.969 v1(87.464,113.969) ; v1(74.637,16.891) 75.018,17.272 81.114,17.272 84.162,20.32 85.559,20.32 85.94,19.939 v1(85.94,16.129) ; v1(74.637,43.891) 75.018,44.272 81.114,44.272 84.162,47.32 85.559,47.32 85.94,46.939 v1(85.94,43.129) ; v1(74.637,70.891) 75.018,71.272 81.114,71.272 84.162,74.32 85.559,74.32 85.94,73.939 v1(85.94,70.129) ; v1(74.637,97.891) 75.018,98.272 81.114,98.272 84.162,101.32 85.559,101.32 85.94,100.939 v1(85.94,97.129) ; v1(74.637,124.891) 75.018,125.272 81.114,125.272 84.162,128.32 85.559,128.32 85.94,127.939 v1(85.94,124.129) ; v1(80.01,19.724) 80.01,24.296 81.876,26.162 v1(85.432,26.162) ; v1(80.01,46.724) 80.01,51.296 81.876,53.162 v1(85.432,53.162) ; v1(80.01,73.724) 80.01,78.296 81.876,80.162 v1(85.432,80.162) ; v1(80.01,100.724) 80.01,105.296 81.876,107.162 v1(85.432,107.162) ; v1(80.01,127.724) 80.01,132.296 81.876,134.162 v1(85.432,134.162) ; v1(81.28,19.089) 81.28,23.153 83.273,25.146 87.972,25.146 v1(88.226,25.4) ; v1(81.28,46.089) 81.28,50.153 83.273,52.146 87.972,52.146 v1(88.226,52.4) ; v1(81.28,73.089) 81.28,77.153 83.273,79.146 87.972,79.146 v1(88.226,79.4) ; v1(81.28,100.089) 81.28,104.153 83.273,106.146 87.972,106.146 v1(88.226,106.4) ; v1(81.28,127.089) 81.28,131.153 83.273,133.146 87.972,133.146 v1(88.226,133.4) ; v1(89.75,18.034) 89.877,18.161 89.877,24.003 v1(90.385,24.511) ; v1(89.75,45.034) 89.877,45.161 89.877,51.003 v1(90.385,51.511) ; v1(89.75,72.034) 89.877,72.161 89.877,78.003 v1(90.385,78.511) ; v1(89.75,99.034) 89.877,99.161 89.877,105.003 v1(90.385,105.511) ; v1(89.75,126.034) 89.877,126.161 89.877,132.003 v1(90.385,132.511) ; v1(90.766,19.431) 90.766,21.971 v1(93.179,24.384) ; v1(90.766,46.431) 90.766,48.971 v1(93.179,51.384) ; v1(90.766,73.431) 90.766,75.971 v1(93.179,78.384) ; v1(90.766,100.431) 90.766,102.971 v1(93.179,105.384) ; v1(90.766,127.431) 90.766,129.971 v1(93.179,132.384) ; v1(91.782,19.939) 91.782,21.971 93.433,23.622 97.735,23.622 99.132,25.019 99.132,25.908 ; v1(91.782,46.939) 91.782,48.971 93.433,50.622 97.735,50.622 99.132,52.019 99.132,52.908 ; v1(91.782,73.939) 91.782,75.971 93.433,77.622 97.735,77.622 99.132,79.019 99.132,79.908 ; v1(91.782,100.939) 91.782,102.971 93.433,104.622 97.735,104.622 99.132,106.019 99.132,106.908 ; v1(91.782,127.939) 91.782,129.971 93.433,131.622 97.735,131.622 99.132,133.019 99.132,133.908 ; v1(93.56,3.175) 93.56,4.572 95.465,6.477 95.465,8.89 98.259,11.684 98.259,18.415 97.624,19.05 93.814,19.05 v1(93.56,18.796) ; v1(93.56,30.175) 93.56,31.572 95.465,33.477 95.465,35.89 98.259,38.684 98.259,45.415 97.624,46.05 93.814,46.05 v1(93.56,45.796) ; v1(93.56,57.175) 93.56,58.572 95.465,60.477 95.465,62.89 98.259,65.684 98.259,72.415 97.624,73.05 93.814,73.05 v1(93.56,72.796) ; v1(93.56,84.175) 93.56,85.572 95.465,87.477 95.465,89.89 98.259,92.684 98.259,99.415 97.624,100.05 93.814,100.05 v1(93.56,99.796) ; v1(93.56,111.175) 93.56,112.572 95.465,114.477 95.465,116.89 98.259,119.684 98.259,126.415 97.624,127.05 93.814,127.05 v1(93.56,126.796) ; v1(99.021,14.605) 99.021,22.225 101.132,24.336 101.132,25.908 ; v1(99.021,41.605) 99.021,49.225 101.132,51.336 101.132,52.908 ; v1(99.021,68.605) 99.021,76.225 101.132,78.336 101.132,79.908 ; v1(99.021,95.605) 99.021,103.225 101.132,105.336 101.132,106.908 ; v1(99.021,122.605) 99.021,130.225 101.132,132.336 101.132,133.908 ; v1(100.037,15.24) 99.529,15.748 99.529,21.209 103.132,24.812 103.132,25.908 ; v1(100.037,42.24) 99.529,42.748 99.529,48.209 103.132,51.812 103.132,52.908 ; v1(100.037,69.24) 99.529,69.748 99.529,75.209 103.132,78.812 103.132,79.908 ; v1(100.037,96.24) 99.529,96.748 99.529,102.209 103.132,105.812 103.132,106.908 ; v1(100.037,123.24) 99.529,123.748 99.529,129.209 103.132,132.812 103.132,133.908 ; v1(100.164,13.081) 100.164,13.208 101.976,15.02 101.976,21.37 105.132,24.526 105.132,25.908 ; v1(100.164,40.081) 100.164,40.208 101.976,42.02 101.976,48.37 105.132,51.526 105.132,52.908 ; v1(100.164,67.081) 100.164,67.208 101.976,69.02 101.976,75.37 105.132,78.526 105.132,79.908 ; v1(100.164,94.081) 100.164,94.208 101.976,96.02 101.976,102.37 105.132,105.526 105.132,106.908 ; v1(100.164,121.081) 100.164,121.208 101.976,123.02 101.976,129.37 105.132,132.526 105.132,133.908 ; v1(101.307,9.652) v1(101.307,12.446) ; v1(101.307,36.652) v1(101.307,39.446) ; v1(101.307,63.652) v1(101.307,66.446) ; v1(101.307,90.652) v1(101.307,93.446) ; v1(101.307,117.652) v1(101.307,120.446) ; v1(101.561,13.335) 101.561,14.097 103.593,16.129 103.593,21.844 107.132,25.383 107.132,25.908 ; v1(101.561,40.335) 101.561,41.097 103.593,43.129 103.593,48.844 107.132,52.383 107.132,52.908 ; v1(101.561,67.335) 101.561,68.097 103.593,70.129 103.593,75.844 107.132,79.383 107.132,79.908 ; v1(101.561,94.335) 101.561,95.097 103.593,97.129 103.593,102.844 107.132,106.383 107.132,106.908 ; v1(101.561,121.335) 101.561,122.097 103.593,124.129 103.593,129.844 107.132,133.383 107.132,133.908
  Bottom Layer w0.4: 6.159,37.922 6.159,35.573 7.112,34.62 11.43,34.62 12.192,35.382 12.192,40.716 14.605,43.129 v1(18.288,43.129) ; 6.159,64.922 6.159,62.573 7.112,61.62 11.43,61.62 12.192,62.382 12.192,67.716 14.605,70.129 v1(18.288,70.129) ; 6.159,91.922 6.159,89.573 7.112,88.62 11.43,88.62 12.192,89.382 12.192,94.716 14.605,97.129 v1(18.288,97.129) ; 6.159,118.922 6.159,116.573 7.112,115.62 11.43,115.62 12.192,116.382 12.192,121.716 14.605,124.129 v1(18.288,124.129) ; 8.159,37.922 8.159,36.24 8.89,35.509 10.795,35.509 11.557,36.271 11.557,41.351 15.24,45.034 v1(16.256,45.034) ; 8.159,64.922 8.159,63.24 8.89,62.509 10.795,62.509 11.557,63.271 11.557,68.351 15.24,72.034 v1(16.256,72.034) ; 8.159,91.922 8.159,90.24 8.89,89.509 10.795,89.509 11.557,90.271 11.557,95.351 15.24,99.034 v1(16.256,99.034) ; 8.159,118.922 8.159,117.24 8.89,116.509 10.795,116.509 11.557,117.271 11.557,122.351 15.24,126.034 v1(16.256,126.034) ; v1(10.414,39.827) v1(10.414,48.59) ; v1(10.414,66.827) v1(10.414,75.59) ; v1(10.414,93.827) v1(10.414,102.59) ; v1(10.414,120.827) v1(10.414,129.59) ; 19.939,34.366 17.907,34.366 17.272,35.001 17.272,36.97 17.939,37.636 17.939,40.621 19.431,42.113 22.733,42.113 v1(27.051,46.431) ; 19.939,36.366 21.812,36.366 27.178,41.732 v1(27.178,44.907) ; 19.939,61.366 17.907,61.366 17.272,62.001 17.272,63.97 17.939,64.636 17.939,67.62 19.431,69.113 22.733,69.113 v1(27.051,73.431) ; 19.939,63.366 21.812,63.366 27.178,68.732 v1(27.178,71.907) ; 19.939,88.366 17.907,88.366 17.272,89.001 17.272,90.97 17.939,91.636 17.939,94.62 19.431,96.113 22.733,96.113 v1(27.051,100.431) ; 19.939,90.366 21.812,90.366 27.178,95.732 v1(27.178,98.907) ; 19.939,115.366 17.907,115.366 17.272,116.001 17.272,117.97 17.939,118.636 17.939,121.621 19.431,123.113 22.733,123.113 v1(27.051,127.431) ; 19.939,117.366 21.812,117.366 27.178,122.732 v1(27.178,125.907) ; v1(32.385,34.366) 32.463,34.288 v1(32.463,31.191) ; v1(32.385,61.366) 32.463,61.288 v1(32.463,58.191) ; v1(32.385,88.366) 32.463,88.288 v1(32.463,85.191) ; v1(32.385,115.366) 32.463,115.288 v1(32.463,112.191) ; v1(32.639,29.54) 33.274,28.905 53.721,28.905 54.991,30.175 v1(55.118,30.175) ; v1(32.639,56.54) 33.274,55.905 53.721,55.905 54.991,57.175 v1(55.118,57.175) ; v1(32.639,83.54) 33.274,82.905 53.721,82.905 54.991,84.175 v1(55.118,84.175) ; v1(32.639,110.54) 33.274,109.905 53.721,109.905 54.991,111.175 v1(55.118,111.175) ; v1(39.321,36.398) 39.878,36.398 41.021,37.541 41.021,40.081 43.22,42.28 v1(43.22,42.583) 43.004,42.799 v1(43.004,45.034) ; v1(39.321,63.398) 39.878,63.398 41.021,64.541 41.021,67.081 43.22,69.28 v1(43.22,69.583) 43.004,69.799 v1(43.004,72.034) ; v1(39.321,90.398) 39.878,90.398 41.021,91.541 41.021,94.081 43.22,96.28 v1(43.22,96.583) 43.004,96.799 v1(43.004,99.034) ; v1(39.321,117.398) 39.878,117.398 41.021,118.541 41.021,121.081 43.22,123.28 v1(43.22,123.583) 43.004,123.799 v1(43.004,126.034) ; v1(47.879,37.033) 46.811,38.101 46.811,49.173 48.768,51.13 50.292,51.13 51.132,51.97 51.132,52.908 ; v1(47.879,64.033) 46.811,65.1 46.811,76.173 48.768,78.13 50.292,78.13 51.132,78.97 51.132,79.908 ; v1(47.879,91.033) 46.811,92.1 46.811,103.173 48.768,105.13 50.292,105.13 51.132,105.97 51.132,106.908 ; v1(47.879,118.033) 46.811,119.101 46.811,130.173 48.768,132.13 50.292,132.13 51.132,132.97 51.132,133.908 ; 64.159,10.922 64.159,8.573 65.112,7.62 69.43,7.62 70.192,8.382 70.192,13.716 72.605,16.129 v1(76.288,16.129) ; 64.159,37.922 64.159,35.573 65.112,34.62 69.43,34.62 70.192,35.382 70.192,40.716 72.605,43.129 v1(76.288,43.129) ; 64.159,64.922 64.159,62.573 65.112,61.62 69.43,61.62 70.192,62.382 70.192,67.716 72.605,70.129 v1(76.288,70.129) ; 64.159,91.922 64.159,89.573 65.112,88.62 69.43,88.62 70.192,89.382 70.192,94.716 72.605,97.129 v1(76.288,97.129) ; 64.159,118.922 64.159,116.573 65.112,115.62 69.43,115.62 70.192,116.382 70.192,121.716 72.605,124.129 v1(76.288,124.129) ; 66.159,10.922 66.159,9.24 66.89,8.509 68.795,8.509 69.557,9.271 69.557,14.351 73.24,18.034 v1(74.256,18.034) ; 66.159,37.922 66.159,36.24 66.89,35.509 68.795,35.509 69.557,36.271 69.557,41.351 73.24,45.034 v1(74.256,45.034) ; 66.159,64.922 66.159,63.24 66.89,62.509 68.795,62.509 69.557,63.271 69.557,68.351 73.24,72.034 v1(74.256,72.034) ; 66.159,91.922 66.159,90.24 66.89,89.509 68.795,89.509 69.557,90.271 69.557,95.351 73.24,99.034 v1(74.256,99.034) ; 66.159,118.922 66.159,117.24 66.89,116.509 68.795,116.509 69.557,117.271 69.557,122.351 73.24,126.034 v1(74.256,126.034) ; v1(68.414,12.827) v1(68.414,21.59) ; v1(68.414,39.827) v1(68.414,48.59) ; v1(68.414,66.827) v1(68.414,75.59) ; v1(68.414,93.827) v1(68.414,102.59) ; v1(68.414,120.827) v1(68.414,129.59) ; 77.939,7.366 75.907,7.366 75.272,8.001 75.272,9.97 75.939,10.636 75.939,13.621 77.431,15.113 80.733,15.113 v1(85.051,19.431) ; 77.939,9.366 79.812,9.366 85.178,14.732 v1(85.178,17.907) ; 77.939,34.366 75.907,34.366 75.272,35.001 75.272,36.97 75.939,37.636 75.939,40.621 77.431,42.113 80.733,42.113 v1(85.051,46.431) ; 77.939,36.366 79.812,36.366 85.178,41.732 v1(85.178,44.907) ; 77.939,61.366 75.907,61.366 75.272,62.001 75.272,63.97 75.939,64.636 75.939,67.62 77.431,69.113 80.733,69.113 v1(85.051,73.431) ; 77.939,63.366 79.812,63.366 85.178,68.732 v1(85.178,71.907) ; 77.939,88.366 75.907,88.366 75.272,89.001 75.272,90.97 75.939,91.636 75.939,94.62 77.431,96.113 80.733,96.113 v1(85.051,100.431) ; 77.939,90.366 79.812,90.366 85.178,95.732 v1(85.178,98.907) ; 77.939,115.366 75.907,115.366 75.272,116.001 75.272,117.97 75.939,118.636 75.939,121.621 77.431,123.113 80.733,123.113 v1(85.051,127.431) ; 77.939,117.366 79.812,117.366 85.178,122.732 v1(85.178,125.907) ; v1(90.385,7.366) 90.463,7.288 v1(90.463,4.191) ; v1(90.385,34.366) 90.463,34.288 v1(90.463,31.191) ; v1(90.385,61.366) 90.463,61.288 v1(90.463,58.191) ; v1(90.385,88.366) 90.463,88.288 v1(90.463,85.191) ; v1(90.385,115.366) 90.463,115.288 v1(90.463,112.191) ; v1(90.639,2.54) 91.274,1.905 111.721,1.905 112.991,3.175 v1(113.118,3.175) ; v1(90.639,29.54) 91.274,28.905 111.721,28.905 112.991,30.175 v1(113.118,30.175) ; v1(90.639,56.54) 91.274,55.905 111.721,55.905 112.991,57.175 v1(113.118,57.175) ; v1(90.639,83.54) 91.274,82.905 111.721,82.905 112.991,84.175 v1(113.118,84.175) ; v1(90.639,110.54) 91.274,109.905 111.721,109.905 112.991,111.175 v1(113.118,111.175) ; v1(97.321,9.398) 97.878,9.398 99.021,10.541 99.021,13.081 101.22,15.28 v1(101.22,15.583) 101.004,15.799 v1(101.004,18.034) ; v1(97.321,36.398) 97.878,36.398 99.021,37.541 99.021,40.081 101.22,42.28 v1(101.22,42.583) 101.004,42.799 v1(101.004,45.034) ; v1(97.321,63.398) 97.878,63.398 99.021,64.541 99.021,67.081 101.22,69.28 v1(101.22,69.583) 101.004,69.799 v1(101.004,72.034) ; v1(97.321,90.398) 97.878,90.398 99.021,91.541 99.021,94.081 101.22,96.28 v1(101.22,96.583) 101.004,96.799 v1(101.004,99.034) ; v1(97.321,117.398) 97.878,117.398 99.021,118.541 99.021,121.081 101.22,123.28 v1(101.22,123.583) 101.004,123.799 v1(101.004,126.034) ; v1(105.879,10.033) 104.811,11.101 104.811,22.173 106.768,24.13 108.292,24.13 109.132,24.97 109.132,25.908 ; v1(105.879,37.033) 104.811,38.101 104.811,49.173 106.768,51.13 108.292,51.13 109.132,51.97 109.132,52.908 ; v1(105.879,64.033) 104.811,65.1 104.811,76.173 106.768,78.13 108.292,78.13 109.132,78.97 109.132,79.908 ; v1(105.879,91.033) 104.811,92.1 104.811,103.173 106.768,105.13 108.292,105.13 109.132,105.97 109.132,106.908 ; v1(105.879,118.033) 104.811,119.101 104.811,130.173 106.768,132.13 108.292,132.13 109.132,132.97 109.132,133.908
  Bottom Layer w0.8: v1(4.699,49.733) 6.223,51.257 15.875,51.257 v1(16.637,50.495) ; v1(4.699,76.733) 6.223,78.257 15.875,78.257 v1(16.637,77.495) ; v1(4.699,103.733) 6.223,105.257 15.875,105.257 v1(16.637,104.495) ; v1(4.699,130.733) 6.223,132.257 15.875,132.257 v1(16.637,131.495) ; v1(62.699,22.733) 64.223,24.257 73.875,24.257 v1(74.637,23.495) ; v1(62.699,49.733) 64.223,51.257 73.875,51.257 v1(74.637,50.495) ; v1(62.699,76.733) 64.223,78.257 73.875,78.257 v1(74.637,77.495) ; v1(62.699,103.733) 64.223,105.257 73.875,105.257 v1(74.637,104.495) ; v1(62.699,130.733) 64.223,132.257 73.875,132.257 v1(74.637,131.495)